# Altium PCB Waffling60-NMB.PcbDoc (part 1 of 2) (continued)
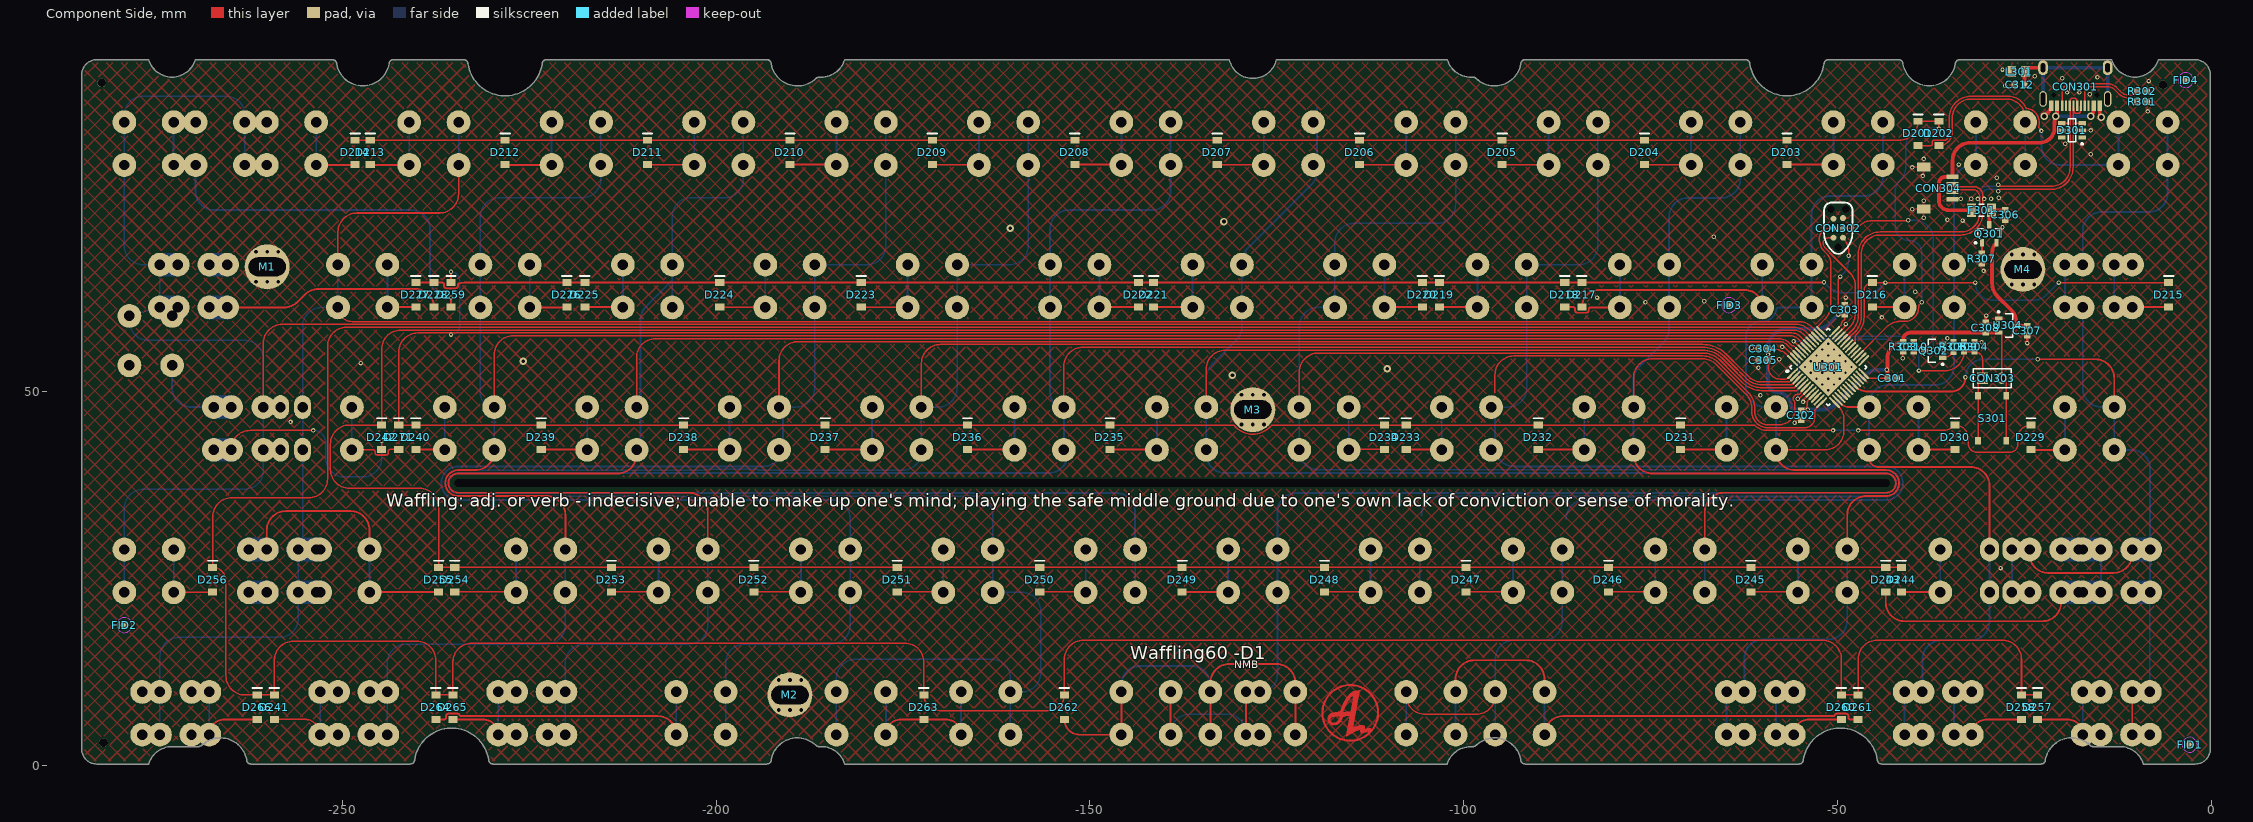
[diagram p0: Component Side view]
## Footprints (in the part's own frame and the unit in brackets; to place one, negate y for a bottom-side part, rotate by r counter-clockwise, add the part's x,y. Pads: shape width x height; smd on the part's side, far side on the other; paste and mask are expansions set on the pad)
C0603[1608] [mm] "Chip Resistor, 2-Leads, Body 1,57x0,80mm, IPC Medium Density"
  rect 0.8x0.85 smd: 1(-0.65,0) 2(0.65,0)
  body extent -0.83,-0.43 0.82,0.43, height 0.5
C1206[3216] [mm]
  rect 1.2x1.8 smd: 1(-1.35,0) 2(1.35,0)
  silkscreen extent -0.35,-0.8 0.35,0.8, body extent -1.6,-0.9 1.6,0.9, height 1.2
Fiducial_Nordic [mm]
  round 1 smd paste+0 mask+0.5: 0(0,0)
  Component Side keep-out circle w0.01: c0,0 r1
HDR1X2 [mm] "Connector; Header; 2 Position"
  rect 1.5x1.5 hole 0.9 mask+0.102: 1(0,0)
  round 1.5 hole 0.9 mask+0.102: 2(2.54,0)
  silkscreen extent -1.27,-1.27 3.81,1.27
"JST SM04B-SRSS-TB" [mm]
  rect 0.6x1.55 smd: 1(-1.5,3.875) 2(-0.5,3.875) 3(0.5,3.875) 4(1.5,3.875)
  rect 1.2x1.8 smd: 5(-2.8,0) 5(2.8,0)
  body extent -3.01,-0.76 2.99,4.19, height 2.96
L0805 [mm] "based on Sunlord-GZ2012D101TF_C1015 datasheet"
  rect 1.16x1.47 smd: 1(-0.92,0) 2(0.92,0)
  body extent -1.15,-0.72 1.15,0.72, height 1.02
mounting_hole [mm]
  round 1 hole 0.5 paste+0 mask+0: 1(-1.5,-2) 1(-1.5,2) 1(0,-2) 1(0,2) 1(1.5,-2) 1(1.5,2)
  round 6 hole 2.5 slot 5 at 0 deg mask+0: 1(0,0)
"NMB-Switch 1U - no allignment pins"#1 [mm]
  round 3.18 hole 1.4 mask+0.102: 1(-3.3,-5.08) 1(-3.3,0.64) 2(3.3,-5.08) 2(3.3,0.64)
  round 1 on Mech14: ""(0,0)
"NMB-Switch 1U - no allignment pins"#2 [mm]
  round 3.18 hole 1.4 mask+0.102: 1(-3.3,-5.08) 1(-3.3,0.64) 2(3.3,-5.08) 2(3.3,0.64)
  round 1 on Mech14 mask+0.102: ""(0,0)
"NMB-Switch 1U - no allignment pins"#3 [mm]
  round 3.18 hole 1.4 mask+0.102: 1(-3.3,-5.08) 1(-3.3,0.64)
  oval 2.54x3.18 hole 1.4 mask+0.102: 2(3.3,-5.08) 2(3.3,0.64)
  round 1 on Mech14 mask+0.102: ""(0,0)
"NMB-Switch 1U - no allignment pins"#4 [mm]
  oval 2.54x3.18 hole 1.4 mask+0.102: 1(-3.3,-5.08) 1(-3.3,0.64)
  round 3.18 hole 1.4 mask+0.102: 2(3.3,-5.08) 2(3.3,0.64)
  round 1 on Mech14: ""(0,0)
"NMB-Switch 1U - no allignment pins"#5 [mm]
  round 3.18 hole 1.4 mask+0.102: 1(-3.3,-5.08) 1(-3.3,0.64)
  oval 2.254x3.18 hole 1.4 mask+0.102: 2(3.3,-5.08) 2(3.3,0.64)
  round 1 on Mech14: ""(0,0)
"NMB-Switch 1U - switched pol  - no allignment pins"#1 [mm]
  round 3.18 hole 1.4 mask+0.102: 1(3.3,-5.08) 1(3.3,0.64) 2(-3.3,-5.08) 2(-3.3,0.64)
  round 1 on Mech14: ""(0,0)
"NMB-Switch 1U - switched pol  - no allignment pins"#2 [mm]
  round 3.18 hole 1.4 mask+0.102: 1(3.3,-5.08) 1(3.3,0.64) 2(-3.3,-5.08) 2(-3.3,0.64)
  round 1 on Mech14 mask+0.102: ""(0,0)
"NMB-Switch 1U - switched pol  - no allignment pins"#3 [mm]
  round 3.18 hole 1.4 mask+0.102: 1(3.3,-5.08) 1(3.3,0.64)
  oval 2.254x3.18 hole 1.4 mask+0.102: 2(-3.3,-5.08) 2(-3.3,0.64)
  round 1 on Mech14: ""(0,0)
R0603[1608] [mm] "Chip Resistor, 2-Leads, Body 1,57x0,80mm, IPC Medium Density"
  rect 0.8x0.85 smd: 1(-0.65,0) 2(0.65,0)
  body extent -0.83,-0.43 0.82,0.43, height 0.5
SOD-123 [mm]
  rect 0.91x1.22 smd: 1(1.635,0) 2(-1.635,0)
  silkscreen extent -2.54,-0.64 -2.54,0.63, body extent -1.87,-0.85 1.88,0.85, height 1.2
SOT-23-3 [mm] "3.3v regulator, used in Windsond S2 proto 1"
  rect 1x0.55 smd: 1(-1.2,0.95) 2(-1.2,-0.95) 3(1.2,0)
  silkscreen extent -1.32,-1.55 0.7,1.95, body extent -1.45,-1.5 1.1,1.5, height 1
SOT-23-6 [mm]
  rect 1x0.55 smd: 1(-1.375,0.95) 2(-1.375,0) 3(-1.375,-0.95) 4(1.375,-0.95) 5(1.375,0) 6(1.375,0.95)
  silkscreen extent -1.5,-1.55 0.46,1.92, body extent -1.37,-1.44 1.47,1.49, height 1.05
"STM32 - COMBO 7X7MM" [mm] "LQFP48, 7x7mm"
  oval 1.45x0.3 smd paste-5: 1(-4.225,2.75) 2(-4.225,2.25) 3(-4.225,1.75) 4(-4.225,1.25) 5(-4.225,0.75) 6(-4.225,0.25) 7(-4.225,-0.25) 8(-4.225,-0.75) 9(-4.225,-1.25) 10(-4.225,-1.75) 11(-4.225,-2.25) 12(-4.225,-2.75) 25(4.225,-2.75) 26(4.225,-2.25) 27(4.225,-1.75) 28(4.225,-1.25) 29(4.225,-0.75) 30(4.225,-0.25) 31(4.225,0.25) 32(4.225,0.75) 33(4.225,1.25) 34(4.225,1.75) 35(4.225,2.25) 36(4.225,2.75)
  oval 0.8x0.25 smd: 1(-3.4,2.75) 2(-3.4,2.25) 3(-3.4,1.75) 4(-3.4,1.25) 5(-3.4,0.75) 6(-3.4,0.25) 7(-3.4,-0.25) 8(-3.4,-0.75) 9(-3.4,-1.25) 10(-3.4,-1.75) 11(-3.4,-2.25) 12(-3.4,-2.75) 25(3.4,-2.75) 26(3.4,-2.25) 27(3.4,-1.75) 28(3.4,-1.25) 29(3.4,-0.75) 30(3.4,-0.25) 31(3.4,0.25) 32(3.4,0.75) 33(3.4,1.25) 34(3.4,1.75) 35(3.4,2.25) 36(3.4,2.75)
  oval 0.25x0.8 smd: 13(-2.75,-3.4) 14(-2.25,-3.4) 15(-1.75,-3.4) 16(-1.25,-3.4) 17(-0.75,-3.4) 18(-0.25,-3.4) 19(0.25,-3.4) 20(0.75,-3.4) 21(1.25,-3.4) 22(1.75,-3.4) 23(2.25,-3.4) 24(2.75,-3.4) 37(2.75,3.4) 38(2.25,3.4) 39(1.75,3.4) 40(1.25,3.4) 41(0.75,3.4) 42(0.25,3.4) 43(-0.25,3.4) 44(-0.75,3.4) 45(-1.25,3.4) 46(-1.75,3.4) 47(-2.25,3.4) 48(-2.75,3.4)
  oval 0.3x1.45 smd paste-5: 13(-2.75,-4.225) 14(-2.25,-4.225) 15(-1.75,-4.225) 16(-1.25,-4.225) 17(-0.75,-4.225) 18(-0.25,-4.225) 19(0.25,-4.225) 20(0.75,-4.225) 21(1.25,-4.225) 22(1.75,-4.225) 23(2.25,-4.225) 24(2.75,-4.225) 37(2.75,4.225) 38(2.25,4.225) 39(1.75,4.225) 40(1.25,4.225) 41(0.75,4.225) 42(0.25,4.225) 43(-0.25,4.225) 44(-0.75,4.225) 45(-1.25,4.225) 46(-1.75,4.225) 47(-2.25,4.225) 48(-2.75,4.225)
  rect 5.6x5.6 smd: 47(0,0)
  silkscreen extent -4.43,-3.65 3.65,3.65, body extent -3.52,-3.52 3.52,3.52, height 0.5
TC2030-IDC-NL [mm] "Tag-Connect 6-Pin with No Legs (PN# TC2030-IDC-NL)"
  round 0.9 hole 0.995 unplated: 0(-2.54,0) 0(2.54,-1.016) 0(2.54,1.016)
  round 0.79 smd paste-0.39: 1(-1.27,-0.635) 2(-1.27,0.635) 3(0,-0.635) 4(0,0.635) 5(1.35,-0.635) 6(1.27,0.635)
  silkscreen extent -3.43,-1.91 3.43,1.9
TYPE-C-31-M-12 [mm]
  rect 0.6x1.45 smd: A1B12(-3.25,0) A4B9(-2.45,0) B1A12(3.25,0) B4A9(2.45,0)
  rect 0.3x1.45 smd: A5(-1.25,0) A6(-0.25,0) A7(0.25,0) A8(1.25,0) B5(1.75,0) B6(0.75,0) B7(-0.75,0) B8(-1.75,0)
  oval 1x2.1 / inner oval 1.3x2.4 / far side oval 1.3x2.4 hole 0.6 slot 1.7 at 90 deg: S1(-4.32,-0.915)
  oval 1.3x2 hole 0.6 slot 1.2 at 90 deg: S1(-4.32,-5.095) S1(4.32,-5.095)
  oval 1x2.1 hole 0.6 slot 1.7 at 90 deg: S1(4.32,-0.915)
  round 0 hole 0.65 unplated: ""(-2.89,-1.445) ""(2.89,-1.445)
  body extent -4.47,-7.72 4.47,0.18, height 3.21
"XKB Switch" [mm] "XKB Enterprise TS-1187A-C-D-B"
  rect 1x0.75 smd: 1(-3,1.875) 1(3,1.875) 2(-3,-1.875) 2(3,-1.875)
  body extent -3.25,-2.55 3.25,2.55, height 2

## Part data
C301 C302 C303 C304 C305 C312: library part Cap, "Capacitor", LCSC MFG=YAGEO, LCSC Part #=C14663, MRF.Part=CC0603KRX7R9BB104, Version="0603 imperial"
C306 C309: library part Cap, "Capacitor", LCSC MFG="Samsung Electro-Mechanics", LCSC Part #=C19666, MRF.Part=CL10A475KO8NNNC, Version="0603 imperial"
C307 C308: library part Cap, "Capacitor", LCSC MFG="Samsung Electro-Mechanics", LCSC Part #=C15849, MRF.Part=CL10A105KB8NNNC, Version="0603 imperial"
C310: library part Cap, "Capacitor", LCSC MFG="Samsung Electro-Mechanics", LCSC Part #=C1623, MRF.Part=CL10B474KA8NNNC, Version="0603 imperial"
CON301: LCSC MFG="Korean Hroparts Elec", LCSC Part #=C165948, MRF.Part=TYPE-C-31-M-12
CON302: library part "Header 3X2", "Header, 3-Pin, Dual row"
CON303: "Header, 2-Pin"
CON304: "JST for USB daughter board", LCSC MFG="JST Sales America", LCSC Part #=C160404, MRF.Part=SM04B-SRSS-TB(LF)(SN)
D201 D202 D203 D204 D205 D206 D207 D208 D209 D210 D211 D212 D213 D214 D215 D216 D217 D218 D219 D220 D221 D222 D223 D224 D225 D226 D227 D228 D229 D230 D231 D232 D233 D234 D235 D236 D237 D238 D239 D240 D241 D242 D243 D244 D245 D246 D247 D248 D249 D250 D251 D252 D253 D254 D255 D256 D257 D258 D259 D260 D261 D262 D263 D264 D265 D266 D271: "Default Diode", LCSC MFG=ST(Semtech), LCSC Part #=C81598, MRF.Part=1N4148W, Version=SOD-123
D301: LCSC MFG="ProTek Devices", LCSC Part #=C85364, MRF.Part=SRV05-4-P-T7
F301: "Thermal Fuse", LCSC MFG="Shenzhen JDT Fuse", LCSC Part #=C135338, MRF.Part=ASMD1206-050
L301: LCSC MFG=Sunlord, LCSC Part #=C1015, MRF.Part=GZ2012D101TF, Version="0806 imperial"
Q301: "P-Channel Power MOSFET", LCSC MFG="Vishay Intertech", LCSC Part #=C10487, MRF.Part=SI2301CDS-T1-GE3, Version=SOT23-3
Q302: library part MOSFET-N, "N-Channel MOSFET", LCSC MFG="Changjiang Electronics Tech (CJ)", LCSC Part #=C8545, MRF.Part=2N7002
R301 R302: "Resistor", LCSC MFG="Uniroyal Elec", LCSC Part #=C23186, MRF.Part=0603WAF5101T5E, Version="0603 imperial"
R303 R304 R307: "Resistor", LCSC MFG="Uniroyal Elec", LCSC Part #=C25804, MRF.Part=0603WAF1002T5E, Version="0603 imperial"
R305: "Resistor", LCSC MFG="Uniroyal Elec", LCSC Part #=C25803, MRF.Part=0603WAF1003T5E, Version="0603 imperial"
S201 S202 S203 S204 S205 S206 S207 S208 S209 S210 S211 S212 S213 S214 S216 S217 S218 S219 S220 S221 S222 S223 S224 S225 S226 S227 S228 S228_1 S229 S230 S231 S232 S233 S234 S235 S236 S237 S238 S239 S240 S241 S241_1 S242 S242_1 S242_2 S243 S243_1 S243_2 S243_3 S244 S245 S246 S247 S248 S249 S250 S251 S252 S253 S254 S256 S256_1 S256_2 S257 S257_1 S258 S258_1 S259 S259_1 S260 S260_1 S261 S261_1 S262 S262_1 S262_2 S263 S263_1 S264 S265 S265_1 S266 S266_1 S269 S271: library part SW-PB, "Switch"
S215 S215_1: library part SW-PB, "TAB"
S301: "Switch", LCSC MFG="XKB Enterprise", LCSC Part #=C318888, MRF.Part=TS-1187A-C-D-B
U301: LCSC MFG=Geehy, LCSC Part #=C915660, MRF.Part=APM32F072CBT6
U304: library part "SOT23 LDO", LCSC MFG="Torex Semicon", LCSC Part #=C5446, MRF.Part=XC6206P332MR

## Free pads (board coordinates)
  round 1.152 hole 1.152 unplated paste+0.148 mask+0.148: ""(-282.194,91.313) ""(-281.94,3.048) ""(-6.477,91.059)
  round 0 hole 1 slot 192 at 0 deg unplated: ""(-139,37.79)

## Via types
v1: diameter 0.6, hole 0.3, Component Side to Bottom Layer, tented both sides, 85 vias
v2: diameter 0.6, hole 0.3, Component Side to Bottom Layer, tented bottom, 25 vias
v3: diameter 1, hole 0.5, Component Side to Bottom Layer, tented both sides, 5 vias
v4: diameter 1, hole 0.6, Component Side to Bottom Layer, tented both sides, 4 vias

## Nets (pads, with @x,y where several pads share a name; then routed paths per layer and width w, separated by ;. In a path a pad name is that pad's centre, name@x,y a point inside that pad or via, vN(x,y) a via of type N, cw(c..) or ccw(c..) an arc to the next point about the centre after c; other vN are vias at no path point)
BOOT0: C309.1 CON303.1 R304.1 S301.2 U301.44 | length 43.6
  Component Side w0.203: v1(-55.88,56.769) -55.184,56.173 U301.44@-54.777,55.767 ; v1(-39.116,52.832) -35.615,52.832 ccw(c-35.615,55.357) C309.1@-33.09,55.357 R304.1@-31.693,55.357 cw(c-31.693,54.271) -30.607,54.271 CON303.1@-30.607,51.816 ccw(c-30.607,51.211) -31.212,51.211 S301.2@-31.212,49.482 S301.2@-31.212,43.482
  Bottom Layer w0.203: v1(-55.88,56.769) -54.693,56.769 ccw(c-54.694,56.972) -54.572,56.81 cw(c-52.802,54.483) -52.802,57.406 -41.656,57.406 cw(c-41.656,54.866) -39.116,54.866 v1(-39.116,52.832)
col1: S201.2 S215.2 S215_1.2 S229.1 S243.2 S243_1.2 S243_2.2 S243_3.2 S257.1 S257_1.1 U301.20 | length 171.9
  Component Side w0.203: S257.1@-10.612,4.135 S257.1@-10.612,9.855
  Component Side w0.254: U301.20@-47.742,50.852 -47.602,50.712 ccw(c-45.974,52.34) -45.974,50.038 -34.798,50.038 ccw(c-34.798,51.943) v1(-32.893,51.943) ; S243_3.2@-24.315,28.905 -24.315,28.252 ccw(c-21.844,28.252) -21.844,25.781 -13.112,25.781 ccw(c-13.112,28.321) -10.572,28.321 S243_1.2@-10.572,28.905 ; v1(-23.241,54.356) -15.534,54.356 cw(c-15.534,51.816) -12.994,51.816 S229.1@-12.994,47.955
  Bottom Layer w0.203: S257_1.1@-8.231,9.855 -8.231,23.145 cw(c-8.191,23.145) S243.2@-8.191,23.185
  Bottom Layer w0.254: v1(-32.893,51.943) cw(c-30.48,51.943) -30.48,54.356 v1(-23.241,54.356) ; S243_2.2@-26.694,23.185 S243_2.2@-26.694,28.905 ; S215_1.2@-19.594,61.285 S215_1.2@-19.594,67.005 ; S215.2@-17.213,61.285 -17.213,50.495 ccw(c-14.673,50.495) -14.673,47.955 S229.1@-12.994,47.955 S229.1@-12.994,42.235 -10.731,42.235 cw(c-10.731,39.695) -8.191,39.695 S243.2@-8.191,28.905 S243.2@-8.191,23.185 ; S215.2@-17.213,67.005 -17.213,71.501 cw(c-14.673,71.501) -14.673,74.041 -8.39,74.041 ccw(c-8.39,76.581) -5.85,76.581 S201.2@-5.85,80.335 S201.2@-5.85,86.055 ; S243_1.2@-11.531,24.003 S243.2@-7.62,24.003
  Bottom Layer w3.18: S243_1.2@-10.029,23.185 S243.2@-8.191,23.185 ; S243_1.2@-10.029,28.905 S243.2@-8.191,28.905
col2: S202.2 S216.2 S230.2 S244.1 S258.2 S258_1.1 U301.14 | length 118.6
  Component Side w0.254: U301.14@-49.863,48.731 -49.83,48.698 -49.493,48.36 ccw(c-48.514,49.339) -48.514,47.955 S230.2@-45.788,47.955 ; S230.2@-45.788,42.235 -45.788,41.16 ccw(c-44.577,41.16) -44.577,39.95 -32.202,39.95 cw(c-32.202,37.41) -29.662,37.41 S244.1@-29.662,28.905
  Bottom Layer w0.254: S230.2@-45.788,42.235 S230.2@-45.788,47.955 -45.788,48.387 cw(c-43.248,48.387) -43.248,50.927 -36.965,50.927 ccw(c-36.965,53.467) -34.425,53.467 S216.2@-34.425,61.285 S216.2@-34.425,67.005 -34.425,77.795 cw(c-31.885,77.795) -31.885,80.335 S202.2@-31.5,80.335 S202.2@-31.5,86.055 ; S258.2@-41.025,4.135 S258.2@-41.025,9.855 ; S258_1.1@-38.643,9.855 -38.643,14.224 cw(c-36.103,14.224) -36.103,16.764 -32.202,16.764 ccw(c-32.202,19.304) -29.662,19.304 S244.1@-29.662,23.185 S244.1@-29.662,28.905
col3: S203.2 S217.2 S231.2 S245.2 S260.2 S260_1.1 U301.13 | length 145
  Component Side w0.203: S231.2@-58.237,42.235 -51.689,42.235 ccw(c-51.689,44.775) -49.149,44.775 -49.149,46.258 ccw(c-51.689,46.258) -49.893,48.054 U301.13@-50.217,48.377
  Component Side w0.254: S231.2@-58.237,42.235 -58.237,42.056 ccw(c-55.697,42.056) -55.697,39.516 -43.5,39.516 cw(c-43.5,37.79) -43.499,36.064 -46.172,36.064 ccw(c-46.172,33.524) -47.371,35.764 ccw(c-46.172,33.524) -48.712,33.524 S245.2@-48.712,28.905
  Bottom Layer w0.254: S260.2@-64.837,4.135 S260.2@-64.837,9.855 ; S260_1.1@-62.456,9.855 -62.456,14.351 cw(c-59.916,14.351) -59.916,16.891 -51.252,16.891 ccw(c-51.252,19.431) -48.712,19.431 S245.2@-48.712,23.185 S245.2@-48.712,28.905 ; S231.2@-58.237,42.235 S231.2@-58.237,47.955 -59.69,47.955 cw(c-59.69,50.495) -62.23,50.495 -62.23,57.489 cw(c-60.316,57.489) -60.316,59.403 ccw(c-60.075,61.285) -58.238,60.81 ccw(c-60.075,61.285) -58.195,61.032 cw(c-57.943,60.997) -57.988,61.247 cw(c-57.551,58.745) -57.551,61.285 S217.2@-53.475,61.285 S217.2@-53.475,67.005 -53.475,73.66 cw(c-50.935,73.66) -50.935,76.2 -46.49,76.2 ccw(c-46.49,78.74) -43.95,78.74 S203.2@-43.95,80.335 S203.2@-43.95,86.055
col4: S204.2 S218.2 S232.2 S246.2 U301.12 | length 166.6
  Component Side w0.203: S232.2@-77.287,47.955 -77.287,51.877 cw(c-74.747,51.877) -74.747,54.417 -68.042,54.417 cw(c-68.042,51.877) -66.246,53.673 -62.214,49.641 cw(c-64.01,47.845) -61.47,47.845 -61.47,47.339 ccw(c-59.341,47.339) -59.341,45.21 -54.358,45.21 ccw(c-54.358,46.482) -53.086,46.482 -53.086,47.123 cw(c-51.949,47.123) -52.753,47.926 U301.12@-52.303,48.377
  Component Side w0.254: S232.2@-77.287,42.235 -77.287,41.622 ccw(c-74.747,41.622) -74.747,39.082 -43.5,39.082 cw(c-43.5,37.79) -43.499,36.498 -65.222,36.498 ccw(c-65.222,33.958) -67.762,33.958 S246.2@-67.762,28.905
  Bottom Layer w0.203: S246.2@-67.762,23.185 S246.2@-67.762,28.905 ; S204.2@-63,80.335 S204.2@-63,86.055
  Bottom Layer w0.254: S232.2@-77.287,42.235 S232.2@-77.287,47.955 -77.287,51.581 cw(c-74.747,51.581) -76.777,53.108 cw(c-74.747,51.581) -76.544,53.377 -73.269,56.652 ccw(c-75.065,58.448) -72.525,58.448 S218.2@-72.525,61.285 S218.2@-72.525,67.005 -72.525,73.406 cw(c-69.985,73.406) -69.985,75.946 -65.54,75.946 ccw(c-65.54,78.486) -63,78.486 S204.2@-63,80.335
col5: S205.2 S219.2 S233.2 S247.2 S261.2 S261_1.2 U301.6 | length 268.6
  Component Side w0.203: S261_1.2@-107.699,9.855 -107.699,9.398 ccw(c-105.159,9.398) -105.159,6.858 -98.333,6.858 ccw(c-98.333,9.398) -95.793,9.398 S261.2@-95.793,9.855 ; -95.827,49.855 -95.827,52.26 cw(c-93.287,52.26) -95.722,52.985 cw(c-93.287,52.26) -93.287,54.8 -68.042,54.8 cw(c-68.042,51.877) -65.975,53.944 -61.944,49.913 cw(c-64.01,47.845) -61.091,47.988 ccw(c-60.888,47.999) -61.09,47.985 -61.088,47.946 cw(c-61.29,47.932) -61.087,47.932 -61.087,47.339 ccw(c-59.341,47.339) -59.341,45.593 -57.785,45.593 ccw(c-57.785,47.679) -56.746,45.87 ccw(c-57.785,47.679) -55.976,46.64 ccw(c-57.785,47.679) -55.699,47.679 -55.699,48.531 ccw(c-55.902,48.53) -55.757,48.672 cw(c-55.342,49.08) -55.231,49.651 ccw(c-55.194,49.851) -55.051,49.707 -54.919,49.838 ccw(c-55.064,49.981) -54.876,49.903 cw(c-54.477,49.739) -54.783,50.043 -54.483,50.343 ccw(c-54.627,50.486) -54.424,50.479 ccw(c-55.087,50.499) U301.6@-54.424,50.499
  Bottom Layer w0.203: S261_1.2@-107.699,4.135 S261_1.2@-107.699,9.855 ; S233.2@-95.827,48.465 S233.2@-96.337,47.955 -95.827,47.955 -94.115,47.955 ccw(c-94.115,50.495) -91.575,50.495 S219.2@-91.575,61.285 S219.2@-91.575,67.005 -84.59,67.005 ccw(c-84.59,69.545) -82.05,69.545 S205.2@-82.05,80.335 S205.2@-82.05,86.055 ; S261.2@-95.793,4.135 S261.2@-95.793,9.855 -95.793,14.224 cw(c-93.253,14.224) -93.253,16.764 -89.352,16.764 ccw(c-89.352,19.304) -86.812,19.304 S247.2@-86.812,23.185 S247.2@-86.812,28.905
  Bottom Layer w0.254: S233.2@-95.827,48.465 -95.827,47.955 -95.827,42.57 ccw(c-93.287,42.57) -93.287,40.03 -43.5,40.03 cw(c-43.5,37.79) -43.5,35.55 -83.762,35.55 ccw(c-83.762,33.01) -86.302,33.01
col6: S206.2 S220.2 S234.2 S248.2 U301.5 | length 291.8
  Component Side w0.203: S234.2@-121.988,47.955 -121.988,52.643 cw(c-119.448,52.643) -119.448,55.183 -68.042,55.183 cw(c-68.042,51.877) -65.703,54.214 -63.97,52.48 -62.742,51.252 ccw(c-60.132,53.861) -60.132,50.171 -55.485,50.171 -54.804,50.852 U301.5@-54.777,50.852
  Bottom Layer w0.203: S234.2@-121.988,42.235 S234.2@-121.988,47.955 -121.988,58.745 cw(c-119.448,58.745) -119.448,61.285 S220.2@-117.225,61.285 S220.2@-117.225,67.005 -117.225,69.977 cw(c-114.685,69.977) -114.685,72.517 -103.64,72.517 ccw(c-103.64,75.057) -101.1,75.057 S206.2@-101.1,80.335 S206.2@-101.1,86.055 ; S248.2@-105.862,23.185 S248.2@-105.862,28.905
  Bottom Layer w0.254: S234.2@-121.988,42.235 -121.988,42.116 ccw(c-119.448,42.116) -119.448,39.576 -43.5,39.576 cw(c-43.5,37.79) -43.5,36.004 -103.09,36.004 ccw(c-103.09,33.464) -105.63,33.464
col7: S207.2 S221.2 S235.2 S249.2 S262.1 S262_1.1 S262_2.1 U301.4 | length 369.5
  Component Side w0.203: S235.2@-134.437,47.955 -134.437,53.026 cw(c-131.897,53.026) -131.897,55.566 -68.042,55.566 cw(c-68.042,51.877) -65.431,54.484 -63.418,52.47 -63.328,52.381 -63.157,52.21 -62.471,51.523 ccw(c-60.132,53.861) -61.151,50.715 ccw(c-60.132,53.861) -60.597,50.587 ccw(c-60.132,53.861) -60.132,50.554 -55.809,50.554 -55.157,51.206 U301.4@-55.131,51.206
  Component Side w0.254: S262.1@-139.199,4.135 S262.1@-139.199,9.855 ; S262_2.1@-129.123,4.135 S262_2.1@-129.123,9.855
  Bottom Layer w0.203: S262.1@-139.199,4.135 -139.199,4.318 cw(c-136.659,4.318) -136.659,6.858 -131.663,6.858 cw(c-131.663,4.318) -129.123,4.318 S262_2.1@-129.123,4.135 ; -134.437,49.784 -134.437,51.835 cw(c-131.897,51.835) -133.694,53.631 -130.419,56.906 ccw(c-132.215,58.702) -129.675,58.702 S221.2@-129.675,61.285 -129.675,65.178 ; S262_1.1@-127.293,9.855 ccw(c-127.293,12.236) -124.912,12.236 S249.2@-124.912,23.185 S249.2@-124.912,28.905
  Bottom Layer w0.254: -134.437,49.784 S235.2@-134.437,47.955 S235.2@-134.437,42.235 -134.437,41.662 ccw(c-131.897,41.662) -131.897,39.122 -43.5,39.122 cw(c-43.5,37.79) -43.5,36.458 -122.372,36.458 ccw(c-122.372,33.918) -124.912,33.918 S249.2@-124.912,28.905 ; -129.675,65.178 ccw(c-131.705,66.705) -129.165,66.705 -129.165,68.905 -120.384,77.686 ccw(c-122.18,79.482) -119.64,79.482 -119.64,87.955
col8: S208.2 S222.2 S236.2 S250.2 U301.3 | length 355.6
  Component Side w0.203: S236.2@-153.487,47.955 -153.487,53.41 cw(c-150.947,53.41) -150.947,55.95 -68.042,55.95 cw(c-68.042,51.877) -65.159,54.754 -63.428,53.022 -63.242,52.836 ; -63.241,52.835 -63.051,52.646 ; -63.051,52.645 -62.885,52.48 -62.2,51.794 ccw(c-60.132,53.861) -62.198,51.792 ccw(c-60.132,53.861) -60.132,50.937 -56.133,50.937 -55.511,51.559 U301.3@-55.485,51.559
  Bottom Layer w0.203: S250.2@-143.962,23.185 S250.2@-143.962,28.905
  Bottom Layer w0.254: S236.2@-153.487,42.235 S236.2@-153.487,47.955 cw(c-153.487,49.793) -155.325,49.793 S222.2@-155.325,61.285 S222.2@-155.325,67.005 -155.325,71.755 cw(c-152.785,71.755) -152.785,74.295 -141.74,74.295 ccw(c-141.74,76.835) -139.2,76.835 S208.2@-139.2,80.335 S208.2@-139.2,86.055 ; S236.2@-152.977,41.662 cw(c-155.517,41.662) -155.517,39.122 -234.5,39.122 ccw(c-234.5,37.79) -234.5,36.458 -146.502,36.458 cw(c-146.502,33.918) -143.962,33.918 S250.2@-143.962,28.905
col9: S209.2 S223.2 S237.2 S251.2 S263.1 S263_1.1 U301.2 | length 397.3
  Component Side w0.203: S237.2@-172.537,47.955 -172.537,53.793 cw(c-169.997,53.793) -169.997,56.333 -68.042,56.333 cw(c-68.042,51.877) -64.888,55.024 -62.78,52.917 -61.928,52.065 ccw(c-60.132,53.861) -61.926,52.063 ccw(c-60.132,53.861) -60.132,51.321 -56.43,51.321 U301.2@-55.838,51.913
  Bottom Layer w0.203: S263_1.1@-183.899,4.135 S263_1.1@-183.899,9.855 -183.899,11.684 cw(c-181.359,11.684) -181.359,14.224 -163.171,14.224 cw(c-163.171,11.684) -160.631,11.684 S263.1@-160.631,9.855 ; S223.2@-167.775,65.432 S223.2@-167.775,61.285 -167.775,50.495 cw(c-170.315,50.495) -170.315,47.955 S237.2@-172.537,47.955 S237.2@-172.537,42.235 -172.537,42.037 cw(c-175.077,42.037) -174.651,39.533 cw(c-174.684,39.734) -174.683,39.53 -194.259,39.53 cw(c-194.259,39.734) -194.372,39.565 -194.405,39.587 ccw(c-194.518,39.418) -194.518,39.621 -201.122,39.621 ccw(c-201.121,39.418) -201.215,39.598 -201.305,39.552 cw(c-201.397,39.734) -201.396,39.53 -234.5,39.53 ccw(c-234.5,37.79) -234.505,36.05 -204.766,36.05 cw(c-204.766,35.846) -204.702,36.039 -204.492,35.969 ccw(c-204.428,36.162) -204.429,35.959 -198.839,35.959 ccw(c-198.839,36.162) -198.726,35.993 -198.693,36.015 cw(c-198.58,35.846) -198.58,36.05 -165.552,36.05 cw(c-165.552,33.51) -163.012,33.51 S251.2@-163.012,28.905 S251.2@-163.012,23.185 -159.131,23.185 cw(c-159.131,20.645) -156.591,20.645 -156.591,12.395 cw(c-159.131,12.395) -159.131,9.855 S263.1@-160.631,9.855 ; S223.2@-167.775,67.005 -167.265,67.005 -160.79,67.005 ccw(c-160.79,69.545) -158.25,69.545 S209.2@-158.25,80.335 S209.2@-158.25,86.055 ; S263.1@-160.631,4.135 S263.1@-160.631,9.855
  Bottom Layer w0.254: S223.2@-167.775,65.432 ccw(c-169.805,66.959) -167.265,66.959 S223.2@-167.265,67.005
col10: S210.2 S224.2 S238.2 S252.2 S264.2 U301.46 | length 349.6
  Component Side w0.203: S238.2@-191.587,47.955 -191.587,54.176 cw(c-189.047,54.176) -189.047,56.716 -57.836,56.716 cw(c-57.836,55.159) -56.736,56.261 ; -56.736,56.26 -56.28,55.804 -56.229,55.804 U301.46@-55.485,55.059
  Bottom Layer w0.203: S264.2@-198.731,4.135 S264.2@-198.731,9.855 -198.731,13.716 cw(c-196.191,13.716) -196.191,16.256 -184.602,16.256 ccw(c-184.602,18.796) -182.062,18.796 S252.2@-182.062,23.185 S252.2@-182.062,28.905 ; S238.2@-191.587,47.955 -191.077,47.955 -189.365,47.955 ccw(c-189.365,50.495) -186.825,50.495 S224.2@-186.825,61.285 S224.2@-186.825,67.005 -186.315,67.005 -179.84,67.005 ccw(c-179.84,69.545) -177.3,69.545 S210.2@-177.3,80.335 S210.2@-177.3,86.055
  Bottom Layer w0.254: S238.2@-191.077,47.955 -191.077,42.57 cw(c-193.617,42.57) -193.617,40.03 -234.5,40.03 ccw(c-234.5,37.79) -234.5,35.55 -184.602,35.55 cw(c-184.602,33.01) -182.062,33.01 S252.2@-182.062,28.905 ; S224.2@-186.315,66.578 S224.2@-186.315,67.005
col11: S211.2 S225.2 S239.2 S253.2 S265.1 S265_1.1 U301.45 | length 331.3
  Component Side w0.203: S239.2@-210.637,47.955 -210.637,54.559 cw(c-208.097,54.559) -208.097,57.099 -187.325,57.099 -69.342,57.099 -57.836,57.099 cw(c-57.836,55.159) -56.466,56.533 cw(c-57.836,55.159) -56.463,56.53 -56.121,56.187 -55.905,56.187 U301.45@-55.131,55.413
  Component Side w0.254: S239.2@-210.637,42.235 -210.637,41.622 cw(c-213.177,41.622) -213.177,39.082 -234.5,39.082 ccw(c-234.5,37.79) -234.51,36.498 ccw(c-234.505,36.958) -234.503,36.498 -208.408,36.498 ; -208.407,36.498 -207.772,36.498 -203.652,36.498 cw(c-203.652,33.958) -203.649,36.498 cw(c-203.652,33.958) -201.112,33.958 S253.2@-201.112,28.905
  Bottom Layer w0.203: S265.1@-220.162,4.135 S265.1@-220.162,9.855 -220.162,13.716 cw(c-217.622,13.716) -217.622,16.256 -203.652,16.256 ccw(c-203.652,18.796) -201.112,18.796 S253.2@-201.112,23.185 S253.2@-201.112,28.905 ; S225.2@-205.875,61.285 -205.875,64.924 S225.2@-205.875,67.005 -205.875,73.406 cw(c-203.335,73.406) -203.335,75.946 -198.89,75.946 ccw(c-198.89,78.486) -198.239,76.031 ccw(c-198.89,78.486) -196.43,77.855 ccw(c-198.89,78.486) -196.35,78.486 S211.2@-196.35,80.335 S211.2@-196.35,86.055
  Bottom Layer w0.254: S239.2@-210.127,43.024 -210.127,59.584 cw(c-207.587,59.584) -209.384,61.38 -206.109,64.655 ccw(c-207.905,66.451) -205.875,64.924
col12: S212.2 S226.2 S240.2 S241.1 S241_1.1 S254.2 U301.43 | length 321.7
  Component Side w0.203: S240.2@-229.687,47.955 -229.687,54.942 cw(c-227.147,54.942) -227.147,57.482 -188.087,57.482 -69.596,57.482 -56.284,57.482 cw(c-56.284,56.048) -55.27,57.063 ; -55.269,57.062 -54.849,56.642 -54.849,56.545 U301.43@-54.424,56.12
  Component Side w0.254: S240.2@-229.687,42.235 -229.687,42.056 cw(c-232.227,42.056) -232.227,39.516 -234.5,39.516 ccw(c-234.5,37.79) -234.513,36.064 ccw(c-234.505,36.958) -234.502,36.064 -227.457,36.064 -222.702,36.064 cw(c-222.702,33.524) -220.162,33.524 S254.2@-220.162,28.905
  Bottom Layer w0.203: S241.1@-243.974,4.135 S241.1@-243.974,9.855 -243.974,13.716 cw(c-241.434,13.716) -241.434,16.256 -222.702,16.256 ccw(c-222.702,18.796) -220.162,18.796 S254.2@-220.162,23.185 S254.2@-220.162,28.905 ; S240.2@-229.687,42.235 S240.2@-229.687,47.955 cw(c-229.687,49.793) -231.525,49.793 S226.2@-231.525,61.285 S226.2@-231.525,67.005 -231.525,73.406 cw(c-228.985,73.406) -228.985,75.946 -217.94,75.946 ccw(c-217.94,78.486) -215.4,78.486 S212.2@-215.4,80.335 S212.2@-215.4,86.055
col13: S213.2 S227.2 S256.2 S256_1.2 S256_2.2 S266.2 S266_1.2 S271.2 U301.38 | length 321.6
  Component Side w0.203: S227.2@-250.575,61.285 ccw(c-248.688,61.285) -248.688,59.398 -55.219,59.398 cw(c-55.219,56.858) -53.423,58.654 U301.38@-52.656,57.888 ; S227.2@-250.575,67.005 -250.575,71.374 cw(c-248.035,71.374) -248.035,73.914 -236.99,73.914 ccw(c-236.99,76.454) -234.45,76.454 S213.2@-234.45,80.335
  Bottom Layer w0.203: S266.2@-274.387,4.135 S266.2@-274.387,9.855 -274.387,14.605 cw(c-271.847,14.605) -271.847,17.145 -258.421,17.145 ccw(c-258.421,19.685) -255.881,19.685 S256.2@-255.881,23.185 S256.2@-255.881,28.905 ccw(c-255.881,29.474) -255.312,29.474 S271.2@-255.312,42.235 S271.2@-255.312,47.955 -255.312,58.745 cw(c-252.772,58.745) -252.772,61.285 S227.2@-250.575,61.285 S227.2@-250.575,67.005 ; S213.2@-234.45,80.335 S213.2@-234.45,86.055
  Bottom Layer w0.254: S256_1.2@-252.219,29.454 ccw(c-252.449,29.561) S256_1.2@-252.195,29.562
  Bottom Layer w3.18: S256.2@-255.881,23.185 S256_1.2@-253.5,23.185 S256_2.2@-252.956,23.185 ; S256.2@-255.881,28.905 S256_1.2@-253.5,28.905 S256_2.2@-252.956,28.905
col14: S214.2 S228.2 S228_1.2 S242.2 S242_1.2 S242_2.2 S259.1 S259_1.2 S269.2 U301.39 | length 350.5
  Component Side w0.203: S242.2@-260.561,47.955 -260.561,56.475 cw(c-258.021,56.475) -258.021,59.015 -55.538,59.015 cw(c-55.538,56.487) -53.751,58.276 ; -53.75,58.275 U301.39@-53.01,57.534
  Bottom Layer w0.203: S269.2@-279.15,23.185 S269.2@-279.15,28.905 -279.15,34.417 cw(c-276.61,34.417) -276.61,36.957 -263.101,36.957 ccw(c-263.101,39.497) -260.561,39.497 S242.2@-260.561,42.235 S242.2@-260.561,47.955 -260.561,54.356 ccw(c-263.101,54.356) -263.101,56.896 -275.931,56.896 cw(c-275.931,59.436) -278.471,59.436 S242_1.2@-278.471,60.145 S228.2@-274.388,61.285 S228.2@-274.388,67.005 -276.61,67.005 cw(c-276.61,69.545) -279.15,69.545 S259_1.2@-279.15,80.335 S259_1.2@-279.15,86.055 -279.15,86.995 cw(c-276.61,86.995) -276.61,89.535 -265.565,89.535 cw(c-265.565,86.995) -263.025,86.995 S259.1@-263.025,86.055 S259.1@-263.025,80.335
  Bottom Layer w0.254: S228.2@-273.871,65.811 ccw(c-274.101,65.919) -273.849,65.956 cw(c-271.087,66.365) -273.648,67.478 ccw(c-273.881,67.578) S228.2@-273.627,67.576
  Bottom Layer w3.18: S228.2@-274.284,67.005 S228_1.2@-272.006,67.005